# KiCad board m-blanc.kicad_pcb (continued)
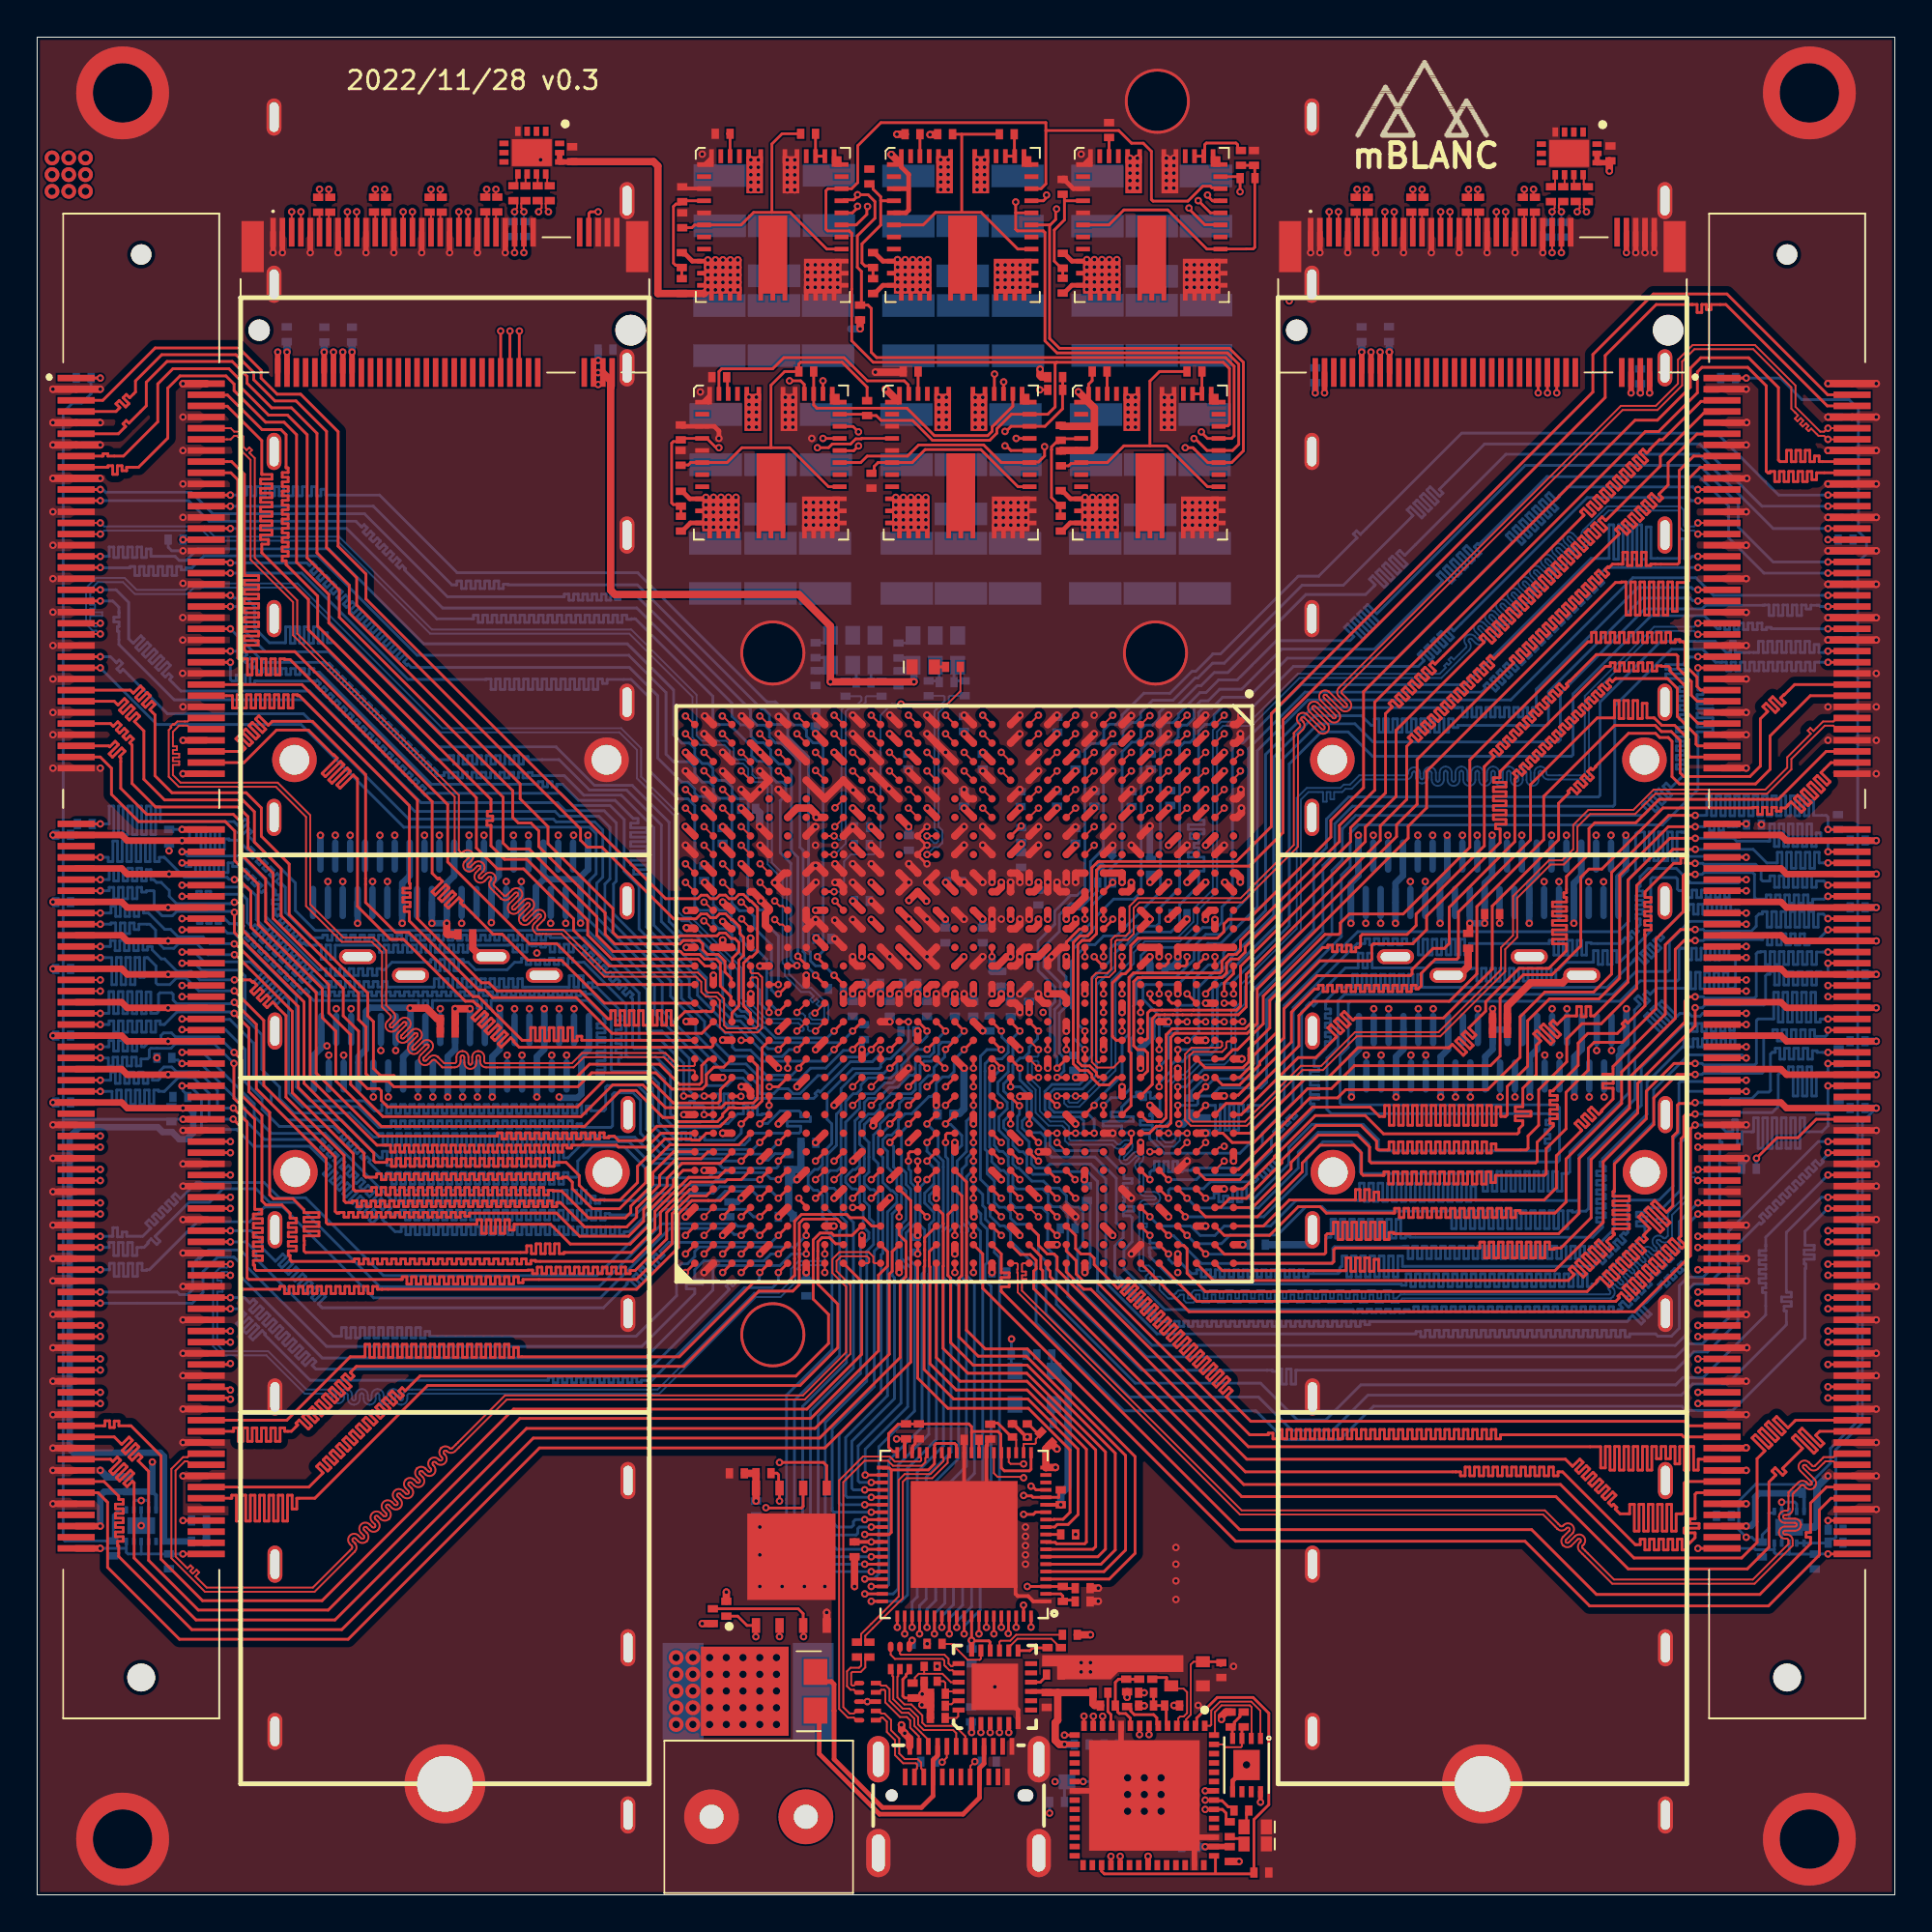
[diagram p0: board, top side]
## Routing (per net, layer and track width the routed paths; a pad name or vN(x,y) marks a point on that pad's centre or on a via; arc(x,y) is an arc through that point) (continued)
QSFP1_RX1_N: length 77.1
  Top Layer w0.1: v1(42.95,58.51) 42.95,58.53 43.4,58.98 U1.AB5
  InLayer2 (Signal) w0.1: v1(42.95,58.51) 42.95,58.16 43.03,58.08 43.36,58.08 43.55,57.89 43.55,50.36 43.92,49.99 43.92,49.58 43.98,49.52 74.24,49.52 75.14,50.43 77.33,50.43 77.52,50.23 77.52,49.9 77.72,49.9 77.72,50.23 77.91,50.43 78.49,50.43 78.68,50.23 78.68,49.57 78.74,49.51 79.73,49.51 79.92,49.32 79.92,48.89 79.73,48.7 79.52,48.7 79.46,48.64 79.46,48.42 79.33,48.28 78.94,48.28 78.81,48.42 78.81,48.65 78.61,48.65 78.61,48.18 78.48,48.05 78.09,48.05 77.96,48.18 77.96,49.02 77.76,49.02 77.76,48.18 77.63,48.05 77.24,48.05 77.11,48.18 77.11,48.73 76.91,48.73 76.91,47.21 76.78,47.07 76.39,47.07 76.26,47.21 76.26,48.73 76.06,48.73 76.06,48 75.93,47.87 75.54,47.87 75.41,48 75.41,48.64 75.35,48.7 74.15,48.7 74.15,48.53 73.95,48.53 73.95,48.7 73.46,48.7 73.4,48.64 73.4,47.08 73.21,46.89 72.89,46.89 72.89,46.69 73.21,46.69 73.4,46.5 73.4,46.38 73.17,46.15 73.17,45.8 72.98,45.61 71.14,45.61 71.09,45.55 71.09,45.36 70.95,45.23 70.57,45.23 70.44,45.36 70.44,45.61 70.24,45.61 70.24,45.48 70.1,45.35 69.72,45.35 69.59,45.48 69.59,45.55 69.53,45.61 69.49,45.61 69.43,45.55 69.43,44.97 69.6,44.8 71.78,44.8 71.88,44.9 71.88,45.05 71.77,45.15 71.6,45.15 v1(71.54,45.21)
  Bottom Layer w0.1: v1(71.54,45.21) 71.55,45.2 71.55,44.08 QSFP+ #1.18
QSFP1_RX1_P: length 77.1
  Top Layer w0.1: U1.AB6 43.4,57.96 v1(42.94,57.5)
  InLayer2 (Signal) w0.1: v1(42.94,57.5) 42.94,57.8 43,57.85 43.27,57.85 43.32,57.8 43.32,50.26 43.69,49.9 43.69,49.48 43.88,49.29 74.33,49.29 75.24,50.2 77.24,50.2 77.3,50.14 77.3,49.81 77.43,49.67 77.82,49.67 77.95,49.81 77.95,50.14 78.01,50.2 78.4,50.2 78.46,50.14 78.46,49.48 78.65,49.29 79.64,49.29 79.7,49.23 79.7,48.98 79.64,48.93 79.42,48.93 79.23,48.73 79.23,48.51 79.03,48.51 79.03,48.74 78.9,48.87 78.52,48.87 78.38,48.74 78.38,48.28 78.18,48.28 78.18,49.12 78.05,49.25 77.67,49.25 77.53,49.12 77.53,48.28 77.33,48.28 77.33,48.82 77.2,48.95 76.82,48.95 76.68,48.82 76.68,47.3 76.48,47.3 76.48,48.82 76.35,48.95 75.97,48.95 75.83,48.82 75.83,48.1 75.63,48.1 75.63,48.73 75.44,48.93 74.59,48.93 74.59,48.95 74.39,48.95 74.39,48.93 73.37,48.93 73.17,48.73 73.17,47.18 73.12,47.12 72.79,47.12 72.66,46.99 72.66,46.6 72.79,46.47 73.12,46.47 73.14,46.44 72.94,46.24 72.94,45.89 72.89,45.83 71.05,45.83 70.86,45.64 70.86,45.45 70.66,45.45 70.66,45.7 70.53,45.83 70.14,45.83 70.01,45.7 70.01,45.57 69.81,45.57 69.81,45.64 69.62,45.83 69.39,45.83 69.2,45.64 69.2,44.88 69.51,44.58 71.87,44.58 72.1,44.81 72.1,45.09 72.16,45.15 72.29,45.15 v1(72.34,45.21)
  Bottom Layer w0.1: QSFP+ #1.17 72.35,44.08 72.35,45.2 v1(72.34,45.21)
QSFP1_RX2_N: length 75.4
  Top Layer w0.1: v1(43.9,61.5) U1.AA3
  InLayer2 (Signal) w0.1: v1(71.95,47.7) 72.01,47.64 72.17,47.64 72.24,47.58 72.24,46.31 72.18,46.26 71.72,46.26 71.66,46.31 71.66,47.96 71.75,48.05 72.78,48.05 72.97,48.24 72.97,48.9 72.78,49.09 71.09,49.09 70.9,48.9 70.9,46.26 70.7,46.26 70.7,48.96 70.57,49.09 70.18,49.09 70.05,48.96 70.05,46.26 69.85,46.26 69.85,48.9 69.66,49.09 69.18,49.09 68.99,48.9 68.99,47.88 68.79,47.88 68.79,48.96 68.66,49.09 68.27,49.09 68.14,48.96 68.14,47.75 67.94,47.75 67.94,48.96 67.81,49.09 67.42,49.09 67.29,48.96 67.29,47.58 67.09,47.58 67.09,48.96 66.96,49.09 66.57,49.09 66.44,48.96 66.44,47.58 66.24,47.58 66.24,48.96 66.11,49.09 65.72,49.09 65.59,48.96 65.59,48.24 65.39,48.24 65.39,48.9 65.2,49.09 43.57,49.09 43.49,49.17 43.49,49.81 43.15,50.15 42.73,50.15 42.58,50.31 42.58,50.74 42.53,50.78 42.53,58.76 43,59.23 43.14,59.08 43.28,59.22 43.14,59.37 43.64,59.88 44.09,59.88 44.53,60.31 44.53,60.92 44.33,61.11 43.96,61.11 43.9,61.17 v1(43.9,61.5)
  Bottom Layer w0.1: QSFP+ #1.21 v1(71.95,47.7)
QSFP1_RX2_P: length 75.4
  Top Layer w0.1: v1(43.9,60.5) U1.AA4
  InLayer2 (Signal) w0.1: v1(43.9,60.5) 43.9,60.83 43.96,60.89 44.24,60.89 44.3,60.83 44.3,60.4 44,60.1 43.55,60.1 42.3,58.86 42.3,50.69 42.35,50.65 42.35,50.21 42.64,49.93 43.06,49.93 43.27,49.72 43.27,49.07 43.47,48.87 65.11,48.87 65.17,48.81 65.17,48.15 65.3,48.01 65.69,48.01 65.82,48.15 65.82,48.87 66.02,48.87 66.02,47.48 66.15,47.35 66.54,47.35 66.67,47.48 66.67,48.87 66.87,48.87 66.87,47.48 67,47.35 67.39,47.35 67.52,47.48 67.52,48.87 67.72,48.87 67.72,47.66 67.85,47.53 68.24,47.53 68.37,47.66 68.37,48.87 68.57,48.87 68.57,47.78 68.7,47.65 69.09,47.65 69.22,47.78 69.22,48.81 69.28,48.87 69.57,48.87 69.63,48.81 69.63,46.16 69.76,46.03 70.14,46.03 70.28,46.16 70.28,48.87 70.48,48.87 70.48,46.16 70.61,46.03 70.99,46.03 71.13,46.16 71.13,48.81 71.18,48.87 71.87,48.87 71.87,48.83 72.07,48.83 72.07,48.87 72.68,48.87 72.74,48.81 72.74,48.33 72.68,48.28 71.66,48.28 71.43,48.05 71.43,46.22 71.62,46.03 72.27,46.03 72.46,46.22 72.46,47.58 72.53,47.64 72.69,47.64 v1(72.75,47.7)
  Bottom Layer w0.1: QSFP+ #1.22 v1(72.75,47.7)
QSFP1_RX3_N: length 77.5
  Top Layer w0.1: v1(44.9,59.5) U1.Y5
  InLayer2 (Signal) w0.1: v1(44.9,59.5) 44.9,59.17 44.96,59.11 45.32,59.11 45.52,58.92 45.52,51.34 45.57,51.28 76.01,51.28 76.07,51.34 76.07,51.64 76.2,51.77 76.59,51.77 76.72,51.64 76.72,51.28 76.92,51.28 76.92,51.64 77.05,51.77 77.44,51.77 77.57,51.64 77.57,51.28 77.77,51.28 77.77,51.64 77.9,51.77 78.29,51.77 78.42,51.64 78.42,51.28 78.62,51.28 78.62,51.64 78.75,51.77 79.14,51.77 79.27,51.64 79.27,51.28 79.47,51.28 79.47,51.64 79.6,51.77 79.99,51.77 80.12,51.64 80.12,51.28 80.32,51.28 80.32,51.6 80.45,51.73 80.84,51.73 80.97,51.6 80.97,51.34 81.03,51.28 81.6,51.28 81.8,51.08 81.8,50.75 81.83,50.75 81.83,50.55 81.8,50.55 81.8,49.5 81.61,49.31 80.81,49.31 80.81,49.11 81.61,49.11 81.8,48.92 81.8,48.41 81.61,48.22 80.89,48.22 80.83,48.16 80.83,47.41 80.89,47.35 82.33,47.35 82.53,47.16 82.53,44.34 82.33,44.15 76.31,44.15 76.12,44.34 76.12,45.58 75.92,45.58 75.92,44.34 75.73,44.15 74.17,44.15 73.98,44.34 73.98,44.73 74.17,44.93 75.11,44.93 75.14,44.95 75.14,45.51 75.08,45.57 74.53,45.57 74.46,45.51 74.46,45.33 74.53,45.26 74.69,45.26 v1(74.75,45.21)
  Bottom Layer w0.1: QSFP+ #1.14 v1(74.75,45.21)
QSFP1_RX3_P: length 77.4
  Top Layer w0.1: v1(44.9,58.5) U1.Y6
  InLayer2 (Signal) w0.1: v1(44.9,58.5) 44.9,58.83 44.96,58.89 45.23,58.89 45.29,58.83 45.29,51.25 45.48,51.06 76.1,51.06 76.3,51.25 76.3,51.55 76.5,51.55 76.5,51.18 76.63,51.05 77.01,51.05 77.15,51.18 77.15,51.55 77.35,51.55 77.35,51.18 77.48,51.05 77.86,51.05 78,51.18 78,51.55 78.2,51.55 78.2,51.18 78.33,51.05 78.71,51.05 78.85,51.18 78.85,51.55 79.05,51.55 79.05,51.18 79.18,51.05 79.56,51.05 79.7,51.18 79.7,51.55 79.9,51.55 79.9,51.18 80.03,51.05 80.41,51.05 80.55,51.18 80.55,51.5 80.75,51.5 80.75,51.25 80.94,51.06 81.51,51.06 81.58,50.99 81.58,49.59 81.52,49.53 80.71,49.53 80.58,49.4 80.58,49.02 80.71,48.88 81.52,48.88 81.58,48.83 81.58,48.5 81.52,48.44 80.79,48.44 80.6,48.25 80.6,47.31 80.79,47.12 82.24,47.12 82.3,47.06 82.3,44.43 82.24,44.38 81.15,44.38 81.15,44.57 80.95,44.57 80.95,44.38 76.4,44.38 76.35,44.43 76.35,45.67 76.21,45.8 75.83,45.8 75.7,45.67 75.7,44.43 75.64,44.38 74.26,44.38 74.2,44.43 74.2,44.64 74.26,44.7 75.2,44.7 75.36,44.86 75.36,45.6 75.17,45.79 74.43,45.79 74.24,45.6 74.24,45.33 74.17,45.26 74.01,45.26 v1(73.95,45.21)
  Bottom Layer w0.1: QSFP+ #1.15 v1(73.95,45.21)
QSFP1_RX4_N: length 75.5
  Top Layer w0.1: v1(45.88,61.5) 45.89,61.5 46.39,61 U1.W3
  InLayer2 (Signal) w0.1: v1(74.35,47.7) 74.43,47.7 74.54,47.8 74.54,47.8 74.6,47.86 74.6,48.01 74.54,48.07 73.92,48.07 73.86,48.01 73.86,46.72 73.92,46.66 80.07,46.66 80.13,46.72 80.13,47.56 80.01,47.56 80.01,47.76 80.13,47.76 80.13,47.96 79.74,47.96 79.74,48.16 80.13,48.16 80.13,49.65 80.07,49.71 79.07,49.71 78.88,49.9 78.88,50.56 78.81,50.63 75.06,50.63 74.15,49.72 71.38,49.72 71.19,49.91 71.19,50.05 70.99,50.05 70.99,49.85 70.86,49.72 70.47,49.72 70.34,49.85 70.34,50.53 70.14,50.53 70.14,49.85 70.01,49.72 69.62,49.72 69.49,49.85 69.49,50.53 69.29,50.53 69.29,49.85 69.16,49.72 68.77,49.72 68.64,49.85 68.64,50.53 68.44,50.53 68.44,49.85 68.31,49.72 67.92,49.72 67.79,49.85 67.79,50.53 67.59,50.53 67.59,49.85 67.46,49.72 67.07,49.72 66.94,49.85 66.94,50.53 66.74,50.53 66.74,49.85 66.61,49.72 66.22,49.72 66.09,49.85 66.09,50.53 65.89,50.53 65.89,49.85 65.76,49.72 65.37,49.72 65.24,49.85 65.24,50.53 65.04,50.53 65.04,49.85 64.91,49.72 64.52,49.72 64.39,49.85 64.39,50.53 64.19,50.53 64.19,49.91 64,49.72 45.87,49.72 45.25,50.34 45.25,50.64 44.32,51.57 44.32,59.74 44.71,60.13 45.02,60.13 45.25,60.36 45.25,60.69 45.64,61.08 45.78,61.08 45.88,61.17 v1(45.88,61.5)
  Bottom Layer w0.1: QSFP+ #1.24 v1(74.35,47.7)
QSFP1_RX4_P: length 75.7
  Top Layer w0.1: v1(45.88,60.5) 45.89,60.5 46.39,60 U1.W4
  InLayer2 (Signal) w0.1: v1(45.88,60.5) 45.88,60.79 45.82,60.85 45.73,60.85 45.47,60.59 45.47,60.26 45.11,59.9 44.81,59.9 44.55,59.65 44.55,51.66 45.48,50.74 45.48,50.44 45.97,49.94 63.91,49.94 63.96,50 63.96,50.62 64.1,50.75 64.48,50.75 64.61,50.62 64.61,49.94 64.81,49.94 64.81,50.62 64.95,50.75 65.33,50.75 65.46,50.62 65.46,49.94 65.66,49.94 65.66,50.62 65.8,50.75 66.18,50.75 66.31,50.62 66.31,49.94 66.51,49.94 66.51,50.62 66.65,50.75 67.03,50.75 67.16,50.62 67.16,49.94 67.36,49.94 67.36,50.62 67.5,50.75 67.88,50.75 68.01,50.62 68.01,49.94 68.21,49.94 68.21,50.62 68.35,50.75 68.73,50.75 68.86,50.62 68.86,49.94 69.06,49.94 69.06,50.62 69.2,50.75 69.58,50.75 69.71,50.62 69.71,49.94 69.91,49.94 69.91,50.62 70.05,50.75 70.43,50.75 70.56,50.62 70.56,49.94 70.76,49.94 70.76,50.14 70.9,50.27 71.28,50.27 71.41,50.14 71.41,50 71.47,49.94 74.06,49.94 74.97,50.85 78.91,50.85 79.11,50.65 79.11,50 79.17,49.94 80.16,49.94 80.35,49.75 80.35,46.62 80.16,46.43 73.83,46.43 73.64,46.62 73.64,48.1 73.83,48.29 74.63,48.29 74.82,48.1 74.82,47.86 74.93,47.76 75.09,47.76 v1(75.15,47.7)
  Bottom Layer w0.1: QSFP+ #1.25 v1(75.15,47.7)
QSFP1_TX1_N: length 71.6
  Top Layer w0.1: v1(38.9,63.45) 38.92,63.45 39.38,63 U1.AF1
  InLayer2 (Signal) w0.1: v1(84.75,45.45) 84.69,45.39 84.52,45.39 84.46,45.33 84.46,44.86 84.92,44.4 84.92,42.67 84.63,42.38 65.14,42.38 63.09,44.43 62.36,44.43 61.89,44.9 47.38,44.9 46.4,45.88 40.71,45.88 40.32,46.26 40.32,47.57 39.98,47.92 39.66,47.92 39.3,48.27 39.3,51.3 40.05,52.05 40.05,55.23 40.05,55.23 40.05,59.16 40.25,59.36 40.25,61.65 40.04,61.86 38.64,61.86 38.25,62.25 38.25,62.82 38.44,63.01 38.71,63.01 38.84,63.15 38.84,63.4 v1(38.9,63.45)
  Bottom Layer w0.1: v1(84.75,45.45) QSFP+ #1.37
QSFP1_TX1_P: length 71.7
  Top Layer w0.1: v1(38.9,62.5) U1.AF2
  InLayer2 (Signal) w0.1: v1(38.9,62.5) 38.84,62.56 38.84,62.72 38.78,62.79 38.53,62.79 38.47,62.73 38.47,62.34 38.73,62.08 40.13,62.08 40.47,61.74 40.47,59.27 40.28,59.07 40.28,55.33 40.28,55.32 40.28,51.95 39.53,51.2 39.53,48.37 39.75,48.14 40.07,48.14 40.55,47.66 40.55,46.36 40.8,46.1 46.49,46.1 47.47,45.12 61.98,45.12 62.46,44.65 63.18,44.65 65.23,42.6 84.54,42.6 84.7,42.76 84.7,43.45 84.42,43.45 84.42,43.65 84.7,43.65 84.7,43.85 84.35,43.85 84.35,44.05 84.7,44.05 84.7,44.3 84.23,44.77 84.23,45.32 84.16,45.39 84.01,45.39 v1(83.95,45.45)
  Bottom Layer w0.1: v1(83.95,45.45) QSFP+ #1.36
QSFP1_TX2_N: length 72.5
  Top Layer w0.1: v1(40.9,63.45) 40.92,63.45 41.38,63 U1.AD1
  InLayer2 (Signal) w0.1: v1(84.35,42.95) 84.29,43.01 84.13,43.01 84.06,43.07 84.06,43.25 83.79,43.53 75.1,43.53 74.91,43.33 74.91,43.03 74.71,43.03 74.71,43.39 74.58,43.53 74.19,43.53 74.06,43.39 74.06,43.03 73.86,43.03 73.86,43.33 73.67,43.53 69.94,43.53 69.74,43.33 69.74,43.03 69.54,43.03 69.54,43.39 69.41,43.53 69.03,43.53 68.89,43.39 68.89,43.03 68.69,43.03 68.69,43.39 68.56,43.53 68.18,43.53 68.04,43.39 68.04,43.03 67.84,43.03 67.84,43.39 67.71,43.53 67.33,43.53 67.19,43.39 67.19,43.03 66.99,43.03 66.99,43.33 66.8,43.53 65.73,43.53 63.9,45.36 62.79,45.36 62.55,45.6 62.55,46.16 62.08,46.64 60.54,46.64 60.05,46.15 59.35,46.15 59.16,45.96 59.16,45.67 58.96,45.67 58.96,46.02 58.82,46.15 58.44,46.15 58.31,46.02 58.31,45.67 58.11,45.67 58.11,45.96 57.92,46.15 56.05,46.15 56.05,46.19 55.85,46.19 55.85,46.15 54.05,46.15 51.14,46.15 50.95,45.96 50.95,45.69 50.75,45.69 50.75,45.96 50.55,46.15 47.25,46.15 46.8,46.6 44.82,46.6 44.3,47.12 41.58,47.12 41.47,47.23 41.47,48.1 41.18,48.4 40.89,48.4 40.6,48.69 40.6,49.12 40.14,49.58 40.13,49.58 40,49.7 40,51.02 40.7,51.72 40.7,55.5 40.7,55.5 40.7,58.89 41,59.19 41,61.78 41.47,62.26 41.47,62.75 41.13,63.09 40.96,63.09 40.9,63.15 v1(40.9,63.45)
  Bottom Layer w0.1: v1(84.35,42.95) QSFP+ #1.2
QSFP1_TX2_P: length 72.6
  Top Layer w0.1: v1(40.9,62.5) U1.AD2
  InLayer2 (Signal) w0.1: v1(40.9,62.5) 40.9,62.81 40.96,62.86 41.04,62.86 41.25,62.66 41.25,62.35 40.78,61.88 40.78,59.29 40.48,58.99 40.48,55.41 40.48,55.41 40.48,51.81 39.78,51.11 39.78,49.61 40.04,49.35 40.04,49.35 40.37,49.02 40.37,48.6 40.8,48.18 41.08,48.18 41.25,48.01 41.25,47.13 41.49,46.89 44.21,46.89 44.72,46.38 46.71,46.38 47.16,45.92 50.46,45.92 50.52,45.87 50.52,45.6 50.65,45.47 51.04,45.47 51.17,45.6 51.17,45.87 51.23,45.92 51.53,45.92 54.14,45.92 57.82,45.93 57.88,45.87 57.88,45.58 58.01,45.45 58.4,45.45 58.53,45.58 58.53,45.93 58.73,45.93 58.73,45.58 58.86,45.45 59.25,45.45 59.38,45.58 59.38,45.87 59.44,45.93 60.14,45.93 60.63,46.41 61.15,46.41 61.15,46.36 61.35,46.36 61.35,46.41 61.98,46.41 62.32,46.07 62.32,45.51 62.7,45.14 63.81,45.14 65.64,43.3 66.71,43.3 66.77,43.24 66.77,42.93 66.9,42.8 67.29,42.8 67.42,42.93 67.42,43.3 67.62,43.3 67.62,42.93 67.75,42.8 68.14,42.8 68.27,42.93 68.27,43.3 68.47,43.3 68.47,42.93 68.6,42.8 68.99,42.8 69.12,42.93 69.12,43.3 69.32,43.3 69.32,42.93 69.45,42.8 69.84,42.8 69.97,42.93 69.97,43.24 70.03,43.3 73.57,43.3 73.63,43.24 73.63,42.93 73.76,42.8 74.15,42.8 74.28,42.93 74.28,43.3 74.48,43.3 74.48,42.93 74.61,42.8 75,42.8 75.13,42.93 75.13,43.24 75.19,43.3 81.15,43.3 81.15,43.08 81.35,43.08 81.35,43.3 83.69,43.3 83.84,43.16 83.84,43.07 83.77,43.01 83.61,43.01 v1(83.55,42.95)
  Bottom Layer w0.1: v1(83.55,42.95) QSFP+ #1.3
QSFP1_TX3_N: length 73.4
  Top Layer w0.1: v1(42.9,63.5) U1.AB1
  InLayer2 (Signal) w0.1: v1(82.35,47.7) 82.29,47.76 82.13,47.76 82.06,47.82 82.06,47.91 82.21,48.05 83.07,48.05 83.28,47.84 ; 83.28,47.84 83.28,47.6 83.09,47.41 83.09,47.02 83.22,46.89 84.72,46.89 84.72,46.69 83.07,46.69 82.94,46.56 82.94,46.17 83.07,46.04 83.22,46.04 83.28,45.98 83.28,45.25 82.98,45.25 82.98,45.05 83.28,45.05 83.28,44.85 83,44.85 83,44.65 83.28,44.65 83.28,44.01 83.22,43.95 67.28,43.95 64.59,46.64 62.76,46.64 62.53,46.88 62.53,47.19 62.13,47.59 59.99,47.59 59.53,47.13 57.93,47.13 57.92,47.14 57.45,47.14 57.44,47.13 47.62,47.13 47.12,47.64 42.77,47.64 40.55,49.86 40.55,50.83 41.13,51.41 41.13,55.68 41.13,55.68 41.13,58.72 42.55,60.14 42.55,61.74 42.73,61.93 43.14,61.93 43.47,62.26 43.47,62.77 43.13,63.11 42.96,63.11 42.9,63.17 v1(42.9,63.5)
  Bottom Layer w0.1: QSFP+ #1.34 v1(82.35,47.7)
QSFP1_TX3_P: length 73.3
  Top Layer w0.1: v1(42.9,62.5) U1.AB2
  InLayer2 (Signal) w0.1: v1(42.9,62.5) 42.9,62.83 42.96,62.89 43.04,62.89 43.25,62.68 43.25,62.36 43.04,62.15 42.64,62.15 42.32,61.84 42.32,60.23 40.9,58.81 40.9,55.59 40.9,55.58 40.9,51.5 40.32,50.93 40.32,49.76 42.67,47.41 47.02,47.41 47.53,46.91 57.54,46.91 57.54,46.91 57.83,46.91 57.84,46.91 59.62,46.91 60.08,47.36 62.03,47.36 62.3,47.09 62.3,46.79 62.67,46.42 64.49,46.42 67.19,43.73 83.31,43.73 83.5,43.92 83.5,46.08 83.31,46.27 83.16,46.27 83.16,46.47 84.82,46.47 84.95,46.6 84.95,46.98 84.82,47.12 83.31,47.12 83.31,47.32 83.5,47.51 83.5,47.94 83.16,48.28 82.11,48.28 81.84,48 81.84,47.82 81.77,47.76 81.61,47.76 v1(81.55,47.7)
  Bottom Layer w0.1: QSFP+ #1.33 v1(81.55,47.7)
QSFP1_TX4_N: length 73.9
  Top Layer w0.1: v1(44.9,63.5) U1.Y1
  InLayer2 (Signal) w0.1: v1(44.9,63.5) 44.9,63.21 44.96,63.15 45.34,63.15 45.53,62.96 45.53,62.04 45.34,61.85 43.66,61.85 43.5,61.69 43.5,61.08 43.33,60.91 43.33,60.31 41.55,58.54 41.55,55.86 41.55,55.85 41.55,50.36 41.76,50.15 42.07,50.15 42.54,49.68 42.54,48.7 43.11,48.13 62.25,48.13 62.72,47.65 65.31,47.65 68.58,44.38 73.31,44.38 73.37,44.43 73.37,45.05 73.22,45.05 73.22,45.25 73.37,45.25 73.37,45.96 73.63,46.23 77.32,46.23 77.51,46.04 77.51,44.93 77.71,44.93 77.71,46.1 77.84,46.23 78.23,46.23 78.36,46.1 78.36,44.93 78.56,44.93 78.56,46.1 78.69,46.23 79.08,46.23 79.21,46.1 79.21,44.93 79.41,44.93 79.41,46.1 79.54,46.23 79.93,46.23 80.06,46.1 80.06,44.93 80.26,44.93 80.26,46.04 80.45,46.23 81.26,46.23 81.68,45.81 81.68,45.33 81.76,45.25 81.89,45.25 v1(81.95,45.19)
  Bottom Layer w0.1: QSFP+ #1.5 v1(81.95,45.19)
QSFP1_TX4_P: length 73.9
  Top Layer w0.1: v1(44.9,62.5) U1.Y2
  InLayer2 (Signal) w0.1: v1(81.16,45.21) 81.21,45.26 81.39,45.26 81.45,45.32 81.45,45.72 81.17,46 80.54,46 80.48,45.94 80.48,44.84 80.35,44.71 79.97,44.71 79.83,44.84 79.83,46.01 79.63,46.01 79.63,44.84 79.5,44.71 79.12,44.71 78.98,44.84 78.98,46.01 78.78,46.01 78.78,44.84 78.65,44.71 78.27,44.71 78.13,44.84 78.13,46.01 77.93,46.01 77.93,44.84 77.8,44.71 77.42,44.71 77.28,44.84 77.28,45.94 77.23,46 73.73,46 73.59,45.87 73.59,44.34 73.4,44.15 68.49,44.15 65.22,47.43 62.63,47.43 62.16,47.9 43.02,47.9 42.31,48.61 42.31,49.59 41.97,49.93 41.67,49.93 41.33,50.27 41.33,55.76 41.33,55.76 41.33,58.63 43.1,60.41 43.1,61 43.28,61.18 43.28,61.78 43.57,62.08 44.25,62.08 44.25,62.35 44.45,62.35 44.45,62.08 45.25,62.08 45.3,62.13 45.3,62.86 45.25,62.92 44.96,62.92 44.9,62.86 v1(44.9,62.5)
  Bottom Layer w0.1: v1(81.16,45.21) 81.15,45.2 81.15,44.08 QSFP+ #1.6
QSFP2_RX1_N: length 52.9
  Top Layer w0.1: v1(46.9,59.5) U1.V5
  InLayer2 (Signal) w0.1: v1(46.9,59.5) 46.9,59.17 46.84,59.11 46.57,59.11 46.32,58.86 46.32,52.28 46.68,51.93 65.29,51.93 66.25,52.88 84.66,52.88 84.89,53.12 84.89,56.15 84.43,56.61 84.43,56.83 84.49,56.89 84.49,56.89 84.64,57.04 v1(84.72,57.04)
  Bottom Layer w0.1: QSFP+ #2.18 v1(84.72,57.04)
QSFP2_RX1_P: length 52.4
  Top Layer w0.1: v1(46.9,58.5) U1.V6
  InLayer2 (Signal) w0.1: v1(83.92,57.04) 84,57.04 84.15,56.89 84.15,56.89 84.21,56.83 84.21,56.52 84.67,56.05 84.67,55.55 84.44,55.55 84.44,55.35 84.67,55.35 84.67,55.15 84.62,55.15 84.62,54.95 84.67,54.95 84.67,53.21 84.57,53.11 66.16,53.11 65.2,52.15 46.77,52.15 46.55,52.38 46.55,58.77 46.66,58.89 46.84,58.89 46.9,58.83 v1(46.9,58.5)
  Bottom Layer w0.1: QSFP+ #2.17 v1(83.92,57.04)
QSFP2_RX2_N: length 50.6
  Top Layer w0.1: v1(47.9,61.5) U1.U3
  InLayer2 (Signal) w0.1: v1(47.9,61.5) 47.9,61.18 47.96,61.12 48.33,61.12 48.52,60.93 48.52,60.02 48.33,59.83 47.58,59.83 47.52,59.77 47.52,53.28 47.7,53.1 64.14,53.1 64.14,53.09 65.49,53.09 66.06,53.66 82.67,53.66 82.88,53.87 82.88,55.18 83.07,55.37 83.83,55.37 84.02,55.18 84.02,54.69 84.12,54.6 84.26,54.6 v1(84.32,54.54)
  Bottom Layer w0.1: QSFP+ #2.21 v1(84.32,54.54)
QSFP2_RX2_P: length 50.6
  Top Layer w0.1: v1(47.9,60.5) U1.U4
  InLayer2 (Signal) w0.1: v1(83.52,54.54) 83.58,54.6 83.72,54.6 83.8,54.67 83.8,55.09 83.74,55.14 83.16,55.14 83.1,55.09 83.1,53.78 82.76,53.43 66.15,53.43 65.59,52.87 64.05,52.87 64.05,52.87 47.61,52.87 47.3,53.18 47.3,56.35 47.12,56.35 47.12,56.55 47.3,56.55 47.3,59.87 47.49,60.06 48.24,60.06 48.3,60.11 48.3,60.83 48.24,60.89 47.96,60.89 47.9,60.83 v1(47.9,60.5)
  Bottom Layer w0.1: QSFP+ #2.22 v1(83.52,54.54)
QSFP2_RX3_N: length 50.7
  Top Layer w0.1: v1(49.9,61.5) U1.R3
  InLayer2 (Signal) w0.1: v1(81.52,57.04) 81.58,57.1 81.74,57.1 81.85,57.21 81.85,57.38 82.12,57.65 82.75,57.65 82.94,57.46 82.94,56.63 82.56,56.26 82.56,54.16 82.37,53.97 65.99,53.97 65.4,53.38 48.47,53.38 48.28,53.57 48.28,59.37 49.28,60.38 49.28,60.92 49.47,61.11 49.84,61.11 49.9,61.17 v1(49.9,61.5)
  Bottom Layer w0.1: QSFP+ #2.14 v1(81.52,57.04)
QSFP2_RX3_P: length 51.2
  Top Layer w0.1: v1(49.9,60.5) U1.R4
  InLayer2 (Signal) w0.1: v1(82.32,57.04) 82.24,57.04 82.07,57.21 82.07,57.29 82.21,57.42 82.65,57.42 82.71,57.37 82.71,56.73 82.34,56.35 82.34,56.1 81.91,56.1 81.91,55.9 82.34,55.9 82.34,55.7 81.91,55.7 81.91,55.5 82.34,55.5 82.34,55.3 81.94,55.3 81.94,55.1 82.34,55.1 82.34,54.25 82.28,54.19 65.9,54.19 65.3,53.6 48.56,53.6 48.5,53.66 48.5,59.28 49.5,60.28 49.5,60.83 49.56,60.89 49.84,60.89 49.9,60.83 v1(49.9,60.5)
  Bottom Layer w0.1: QSFP+ #2.15 v1(82.32,57.04)
QSFP2_RX4_N: length 52.4
  Top Layer w0.1: v1(50.9,59.5) U1.P5
  InLayer2 (Signal) w0.1: v1(81.92,54.54) 81.86,54.6 81.69,54.6 81.63,54.66 81.63,54.92 81.65,54.92 81.65,55.12 81.63,55.12 81.63,55.65 81.44,55.84 80.52,55.84 80.33,55.65 80.33,54.81 80.13,54.81 80.13,55.87 80,56 79.61,56 79.48,55.87 79.48,54.81 79.28,54.81 79.28,55.87 79.15,56 78.76,56 78.63,55.87 78.63,54.81 78.43,54.81 78.43,55.87 78.3,56 77.91,56 77.78,55.87 77.78,54.81 77.58,54.81 77.58,55.87 77.45,56 77.06,56 76.93,55.87 76.93,54.81 76.73,54.81 76.73,55.87 76.6,56 76.21,56 76.08,55.87 76.08,54.81 75.88,54.81 75.88,55.87 75.75,56 75.36,56 75.23,55.87 75.23,55.44 75.03,55.44 75.03,55.65 74.84,55.84 65.44,55.84 64.7,55.1 51.62,55.1 51.56,55.16 51.56,58.85 51.29,59.11 50.96,59.11 50.9,59.17 v1(50.9,59.5)
  Bottom Layer w0.1: QSFP+ #2.24 v1(81.92,54.54)
QSFP2_RX4_P: length 52.4
  Top Layer w0.1: v1(50.9,58.5) U1.P6
  InLayer2 (Signal) w0.1: v1(81.12,54.54) 81.18,54.6 81.33,54.6 81.4,54.68 81.4,55.56 81.34,55.62 80.61,55.62 80.55,55.56 80.55,54.72 80.42,54.59 80.03,54.59 79.9,54.72 79.9,55.78 79.7,55.78 79.7,54.72 79.57,54.59 79.18,54.59 79.05,54.72 79.05,55.78 78.85,55.78 78.85,54.72 78.72,54.59 78.33,54.59 78.2,54.72 78.2,55.78 78,55.78 78,54.72 77.87,54.59 77.48,54.59 77.35,54.72 77.35,55.78 77.15,55.78 77.15,54.72 77.02,54.59 76.63,54.59 76.5,54.72 76.5,55.78 76.3,55.78 76.3,54.72 76.17,54.59 75.78,54.59 75.65,54.72 75.65,55.78 75.45,55.78 75.45,55.34 75.32,55.21 74.93,55.21 74.8,55.34 74.8,55.56 74.74,55.62 65.53,55.62 64.79,54.88 51.52,54.88 51.33,55.07 51.33,55.55 51.13,55.55 51.13,55.75 51.33,55.75 51.33,58.75 51.2,58.89 50.96,58.89 50.9,58.83 v1(50.9,58.5)
  Bottom Layer w0.1: QSFP+ #2.25 v1(81.12,54.54)
QSFP2_TX1_N: length 49.5
  Top Layer w0.1: v1(46.9,63.5) U1.V1
  InLayer2 (Signal) w0.1: v1(46.9,63.5) 46.85,63.45 46.85,63.21 46.92,63.14 47.36,63.14 47.55,62.94 47.55,62.07 47.36,61.88 46.56,61.88 46.5,61.82 46.5,59.33 46,58.83 46,51.77 46.06,51.71 66.12,51.71 66.17,51.77 66.17,52.39 66.31,52.52 66.69,52.52 66.82,52.39 66.82,51.71 67.02,51.71 67.02,52.39 67.16,52.52 67.54,52.52 67.67,52.39 67.67,51.71 67.87,51.71 67.87,52.39 68.01,52.52 68.39,52.52 68.52,52.39 68.52,51.71 68.72,51.71 68.72,52.39 68.86,52.52 69.24,52.52 69.37,52.39 69.37,51.71 69.57,51.71 69.57,52.39 69.71,52.52 70.09,52.52 70.22,52.39 70.22,51.77 70.28,51.71 70.53,51.71 70.53,51.91 70.73,51.91 70.73,51.71 71.7,51.71 71.81,51.82 71.81,52.18 71.74,52.24 71.58,52.24 v1(71.52,52.3)
  Bottom Layer w0.1: v1(71.52,52.3) QSFP+ #2.37
QSFP2_TX1_P: length 49.5
  Top Layer w0.1: v1(46.9,62.5) U1.V2
  InLayer2 (Signal) w0.1: v1(72.32,52.3) 72.26,52.24 72.1,52.24 72.03,52.18 72.03,51.73 71.79,51.48 70.19,51.48 70,51.67 70,52.29 69.8,52.29 69.8,51.62 69.67,51.48 69.28,51.48 69.15,51.62 69.15,52.29 68.95,52.29 68.95,51.62 68.82,51.48 68.43,51.48 68.3,51.62 68.3,52.29 68.1,52.29 68.1,51.62 67.97,51.48 67.58,51.48 67.45,51.62 67.45,52.29 67.25,52.29 67.25,51.62 67.12,51.48 66.73,51.48 66.6,51.62 66.6,52.29 66.4,52.29 66.4,51.67 66.21,51.48 45.97,51.48 45.78,51.67 45.78,58.92 46.28,59.42 46.28,61.91 46.47,62.1 47.27,62.1 47.33,62.16 47.33,62.85 47.27,62.91 46.92,62.91 46.84,62.83 46.84,62.56 v1(46.9,62.5)
  Bottom Layer w0.1: v1(72.32,52.3) QSFP+ #2.36
QSFP2_TX2_N: length 49.1
  Top Layer w0.1: v1(48.9,63.5) U1.T1
  InLayer2 (Signal) w0.1: v1(71.92,57.04) 71.98,57.1 72.14,57.1 72.21,57.17 72.21,57.43 72.4,57.62 73.04,57.62 73.1,57.68 73.1,58.94 73.04,59 72.66,59 72.6,58.94 72.6,58.18 72.47,58.05 72.08,58.05 71.95,58.18 71.95,59.41 71.75,59.41 71.75,58 71.62,57.87 71.23,57.87 71.1,58 71.1,59.41 70.9,59.41 70.9,58 70.77,57.87 70.38,57.87 70.25,58 70.25,58.94 70.19,59 69.74,59 69.68,58.94 69.68,57.64 69.88,57.64 69.88,57.44 69.68,57.44 69.68,57.24 69.99,57.24 69.99,57.04 69.68,57.04 69.68,56.68 69.49,56.49 64.59,56.49 64.48,56.38 64.48,56.09 64.28,55.9 52.44,55.9 52.25,56.09 52.25,61.72 51.84,62.13 51.84,62.54 51.4,62.98 51.4,63.53 51.03,63.9 48.7,63.9 48.5,63.7 48.5,63.31 48.7,63.11 48.84,63.11 48.9,63.17 v1(48.9,63.5)
  Bottom Layer w0.1: v1(71.92,57.04) 71.92,57.04 71.92,55.92 QSFP+ #2.2
QSFP2_TX2_P: length 49.2
  Top Layer w0.1: v1(48.9,62.5) U1.T2
  InLayer2 (Signal) w0.1: v1(72.72,57.04) 72.66,57.1 72.5,57.1 72.43,57.17 72.43,57.34 72.49,57.4 73.13,57.4 73.33,57.59 73.33,59.03 73.13,59.23 72.57,59.23 72.38,59.03 72.38,58.27 72.18,58.27 72.18,59.5 72.05,59.64 71.66,59.64 71.53,59.5 71.53,58.09 71.33,58.09 71.33,59.5 71.2,59.64 70.81,59.64 70.68,59.5 70.68,58.09 70.48,58.09 70.48,59.03 70.29,59.23 69.65,59.23 69.46,59.03 69.46,56.77 69.4,56.71 64.5,56.71 64.25,56.47 64.25,56.18 64.19,56.12 52.53,56.12 52.48,56.18 52.48,61.82 52.08,62.22 52.08,62.62 51.63,63.08 51.63,63.62 51.12,64.12 48.61,64.12 48.28,63.79 48.28,63.22 48.61,62.89 48.84,62.89 48.9,62.83 v1(48.9,62.5)
  Bottom Layer w0.1: QSFP+ #2.3 v1(72.72,57.04)
QSFP2_TX3_N: length 62.8
  Top Layer w0.1: v1(50.9,63.5) U1.P1
  InLayer2 (Signal) w0.1: 71.51,54.39 71.9,54.39 ; 71.51,54.39 71.38,54.53 ; 71.51,54.39 71.9,54.39 ; 71.51,54.39 71.38,54.53 ; 71.9,54.39 72.03,54.53 ; 71.9,54.39 72.03,54.53 ; 70.33,54.53 70.33,55.08 ; 70.33,54.53 70.33,55.08 ; 70.33,54.53 70.2,54.39 ; 70.33,54.53 70.2,54.39 ; 70.33,55.08 70.53,55.08 ; 70.33,55.08 70.53,55.08 ; 68.63,55.08 68.83,55.08 ; 68.63,55.08 68.63,54.53 ; 68.63,55.08 68.63,54.53 ; 68.63,55.08 68.83,55.08 ; 68.83,55.08 68.83,54.53 ; 68.83,55.08 68.83,54.53 ; 66.8,54.78 66.93,54.91 ; 66.8,54.78 66.41,54.78 ; 66.8,54.78 66.41,54.78 ; 66.8,54.78 66.93,54.91 ; 66.93,54.91 66.93,55.08 ; 66.93,54.91 66.93,55.08 ; 67.98,54.53 67.98,55.08 ; 67.98,54.53 68.11,54.39 ; 67.98,54.53 67.98,55.08 ; 67.98,54.53 68.11,54.39 ; 67.98,55.08 67.78,55.08 ; 67.98,55.08 67.78,55.08 ; 71.38,54.53 71.38,55.08 ; 71.38,54.53 71.38,55.08 ; 67.65,54.39 67.78,54.53 ; 67.65,54.39 67.26,54.39 ; 67.65,54.39 67.26,54.39 ; 67.65,54.39 67.78,54.53 ; 67.78,54.53 67.78,55.08 ; 67.78,54.53 67.78,55.08 ; 68.5,54.39 68.63,54.53 ; 68.5,54.39 68.63,54.53 ; 68.5,54.39 68.11,54.39 ; 68.5,54.39 68.11,54.39 ; 66.93,55.08 67.13,55.08 ; 66.93,55.08 67.13,55.08 ; 67.13,55.08 67.13,54.53 ; 67.13,55.08 67.13,54.53 ; 71.18,54.53 71.18,55.08 ; 71.18,54.53 71.18,55.08 ; 71.18,54.53 71.05,54.39 ; 71.18,54.53 71.05,54.39 ; 71.18,55.08 71.38,55.08 ; 71.18,55.08 71.38,55.08 ; 70.53,54.53 70.53,55.08 ; 70.53,54.53 70.53,55.08 ; 70.53,54.53 70.66,54.39 ; 70.53,54.53 70.66,54.39 ; 69.48,54.53 69.48,55.08 ; 69.48,54.53 69.35,54.39 ; 69.48,54.53 69.35,54.39 ; 69.48,54.53 69.48,55.08 ; 69.48,55.08 69.68,55.08 ; 69.48,55.08 69.68,55.08 ; 65.9,55.07 65.87,55.07 65.4,54.6 65.4,54.11 65.2,53.91 49.47,53.91 49.25,54.13 49.25,55.36 49.44,55.55 49.75,55.55 49.75,55.75 49.11,55.75 48.98,55.88 48.98,56.27 49.11,56.4 49.33,56.4 49.33,56.6 49.11,56.6 48.98,56.73 48.98,57.12 49.11,57.25 49.33,57.25 49.33,57.45 49.11,57.45 48.98,57.58 48.98,57.97 49.11,58.1 49.19,58.1 49.25,58.16 49.25,59.68 49.67,60.1 50.1,60.1 50.28,60.28 50.28,62.78 50.61,63.11 50.84,63.11 50.9,63.17 v1(50.9,63.5) ; 65.9,55.07 66.22,55.07 ; 65.9,55.07 66.22,55.07 ; 69.68,54.53 69.68,55.08 ; 69.68,54.53 69.81,54.39 ; 69.68,54.53 69.81,54.39 ; 69.68,54.53 69.68,55.08 ; 67.26,54.39 67.13,54.53 ; 67.26,54.39 67.13,54.53 ; 72.03,54.53 72.03,55.01 ; 72.03,54.53 72.03,55.01 ; 72.21,55.07 74.15,55.07 74.21,55.01 74.21,54.67 74.15,54.62 74.14,54.62 74.13,54.61 73.98,54.61 v1(73.92,54.55) ; 72.21,55.07 72.09,55.07 ; 72.21,55.07 72.09,55.07 ; 69.81,54.39 70.2,54.39 ; 69.81,54.39 70.2,54.39 ; 68.96,54.39 69.35,54.39 ; 68.96,54.39 68.83,54.53 ; 68.96,54.39 68.83,54.53 ; 68.96,54.39 69.35,54.39 ; 66.41,54.78 66.28,54.91 ; 66.41,54.78 66.28,54.91 ; 66.28,54.91 66.28,55.01 ; 66.28,54.91 66.28,55.01 ; 66.22,55.07 66.28,55.01 ; 66.22,55.07 66.28,55.01 ; 71.05,54.39 70.66,54.39 ; 71.05,54.39 70.66,54.39 ; 72.09,55.07 72.03,55.01 ; 72.09,55.07 72.03,55.01